# Altium PCB AVALON_hashunit.PcbDoc (part 2 of 5)
Units mm, origin at the board's own origin, x right, y up, seen from the top; angles counter-clockwise.
Board outline 138.43 x 38.1 mm, 4 copper layers (Top Layer, Mid-Layer 1, Mid-Layer 2, Bottom Layer); 220 components, 79 nets, 967 pads, 761 vias.
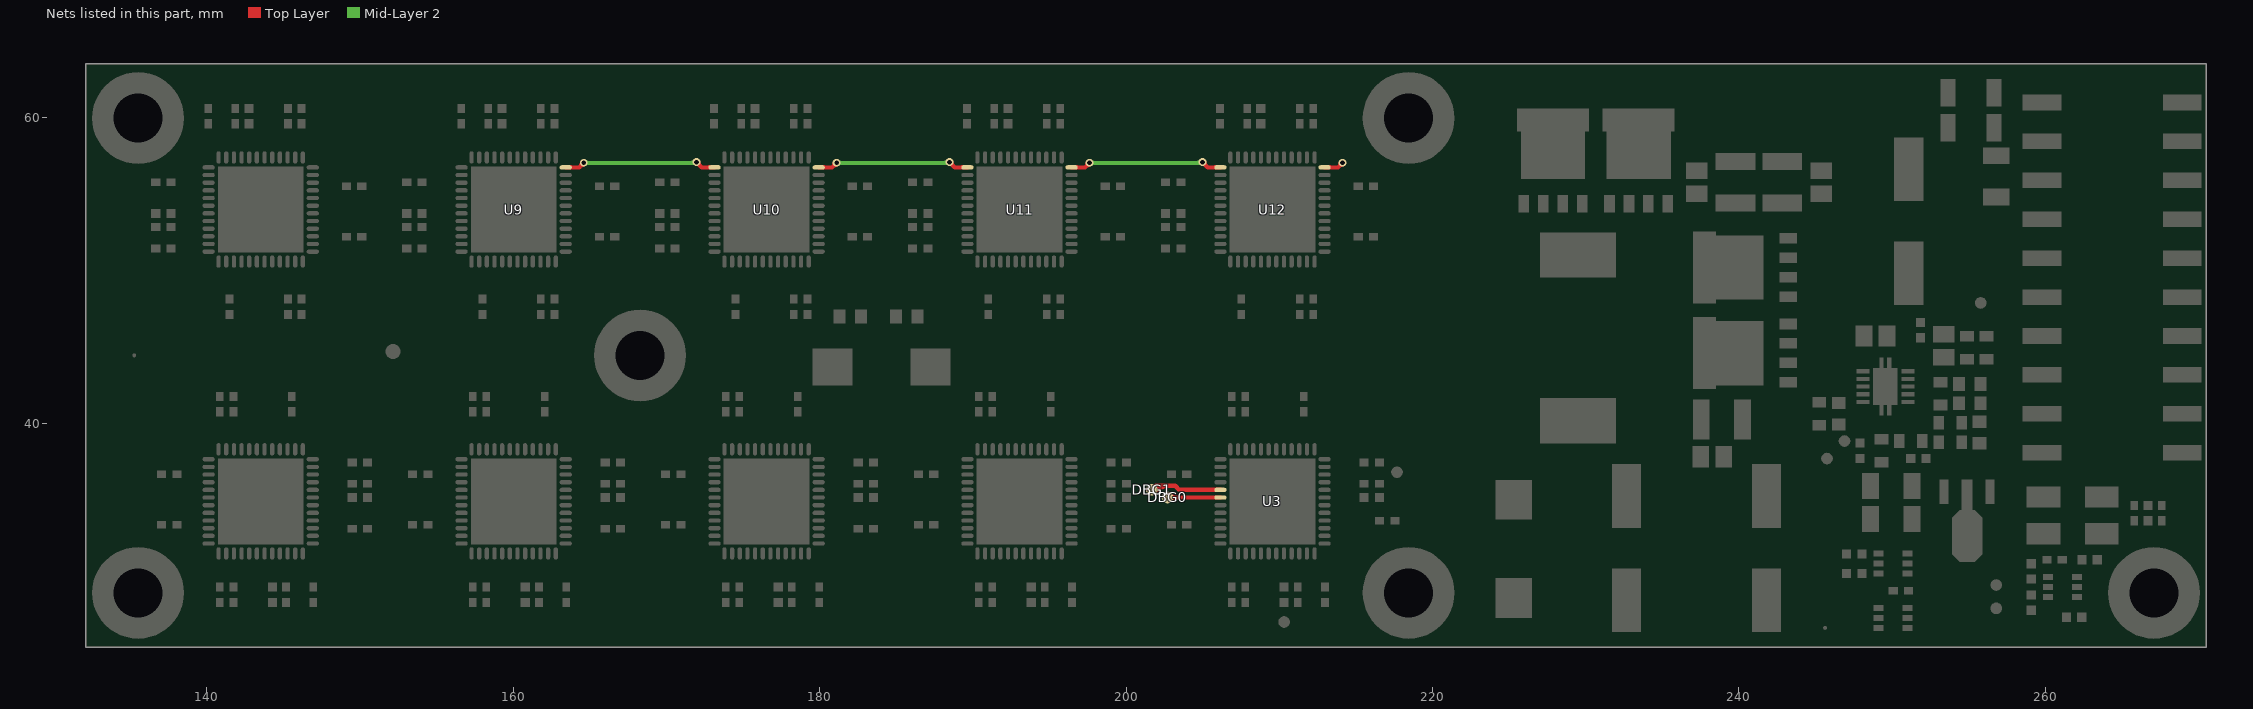
[diagram p4: the nets of this part, all layers, seen from the top]

## Via types
v1: diameter 0.8, hole 0.4, Top Layer to Bottom Layer, tented both sides, 330 vias
v2: diameter 0.508, hole 0.305, Top Layer to Bottom Layer, tented both sides, 258 vias
v3: diameter 0.813, hole 0.457, Top Layer to Bottom Layer, tented both sides, 88 vias
v4: diameter 0.508, hole 0.305, Top Layer to Bottom Layer, tented bottom, 80 vias
v5: diameter 0.6, hole 0.3, Top Layer to Bottom Layer, tented bottom, 5 vias

## Nets (pads, with @x,y where several pads share a name; then routed paths per layer and width w, separated by ;. In a path a pad name is that pad's centre, name@x,y a point inside that pad or via, vN(x,y) a via of type N, cw(c..) or ccw(c..) an arc to the next point about the centre after c; other vN are vias at no path point) (continued)
CONFIG_PO7: U9.36 U10.1 | length 11.5
  Top Layer w0.279: U9.36@163.545,56.725 164.294,56.725 v4(164.592,57.023) ; v4@164.478,57.023 cw(c164.202,57.023) 164.397,56.828 cw(c164.592,56.633) v4@164.592,56.909 ; v4@171.958,56.956 cw(c171.958,56.68) 172.153,56.875 cw(c172.348,57.07) v4@172.072,57.07 ; v4(171.958,57.07) 172.303,56.725 U10.1@173.005,56.725
  Mid-Layer 2 w0.254: v4(164.592,57.023) 171.911,57.023 v4(171.958,57.07) ; v4@164.682,56.933 cw(c164.899,56.716) 164.899,57.023 cw(c164.899,57.33) v4@164.682,57.113 ; 171.538,57.023 ccw(c171.538,57.49) v4@171.868,57.16
CONFIG_PO8: U10.36 U11.1 | length 11.5
  Top Layer w0.279: U10.36@180.055,56.725 180.804,56.725 v4(181.102,57.023) ; v4@180.988,57.023 cw(c180.712,57.023) 180.907,56.828 cw(c181.102,56.633) v4@181.102,56.909 ; v4@188.468,56.956 cw(c188.468,56.68) 188.663,56.875 cw(c188.858,57.07) v4@188.582,57.07 ; v4(188.468,57.07) 188.813,56.725 U11.1@189.515,56.725
  Mid-Layer 2 w0.254: v4(181.102,57.023) 188.421,57.023 v4(188.468,57.07) ; v4@181.192,56.933 cw(c181.409,56.716) 181.409,57.023 cw(c181.409,57.33) v4@181.192,57.113 ; 188.048,57.023 ccw(c188.048,57.49) v4@188.378,57.16
CONFIG_PO9: U11.36 U12.1 | length 11.5
  Top Layer w0.279: U11.36@196.565,56.725 197.314,56.725 v4(197.612,57.023) ; v4@197.498,57.023 cw(c197.222,57.023) 197.417,56.828 cw(c197.612,56.633) v4@197.612,56.909 ; v4@204.978,56.956 cw(c204.978,56.68) 205.173,56.875 cw(c205.368,57.07) v4@205.092,57.07 ; v4(204.978,57.07) 205.323,56.725 U12.1@206.025,56.725
  Mid-Layer 2 w0.254: v4(197.612,57.023) 204.931,57.023 v4(204.978,57.07) ; v4@197.702,56.933 cw(c197.919,56.716) 197.919,57.023 cw(c197.919,57.33) v4@197.702,57.113 ; 204.558,57.023 ccw(c204.558,57.49) v4@204.888,57.16
CONFIG_PO10: U12.36 | length 1.6
  Top Layer w0.279: U12.36@213.075,56.725 213.824,56.725 v4(214.122,57.023) ; v4@214.008,57.023 cw(c213.732,57.023) 213.927,56.828 cw(c214.122,56.633) v4@214.122,56.909
DBG0: DBG0.1 U3.30 | length 4.2
  Top Layer w0.279: DBG0.1@202.696,35.175 U3.30@206.025,35.175 ; DBG0.1@202.863,35.008 cw(c203.265,34.606) 203.265,35.175 ; DBG0.1@202.863,35.35 ccw(c203.284,35.771) 203.284,35.175
DBG1: DBG1.1 U3.29 | length 6.3
  Top Layer w0.279: DBG1.1@201.649,35.714 cw(c202.197,35.166) 202.197,35.941 ; DBG1.1@201.676,35.687 201.93,35.941 203.2,35.941 203.466,35.675 U3.29@206.025,35.675 ; DBG1.1@201.847,35.516 cw(c202.872,34.491) 202.872,35.941